# Allegro board AB9.brd (continued)
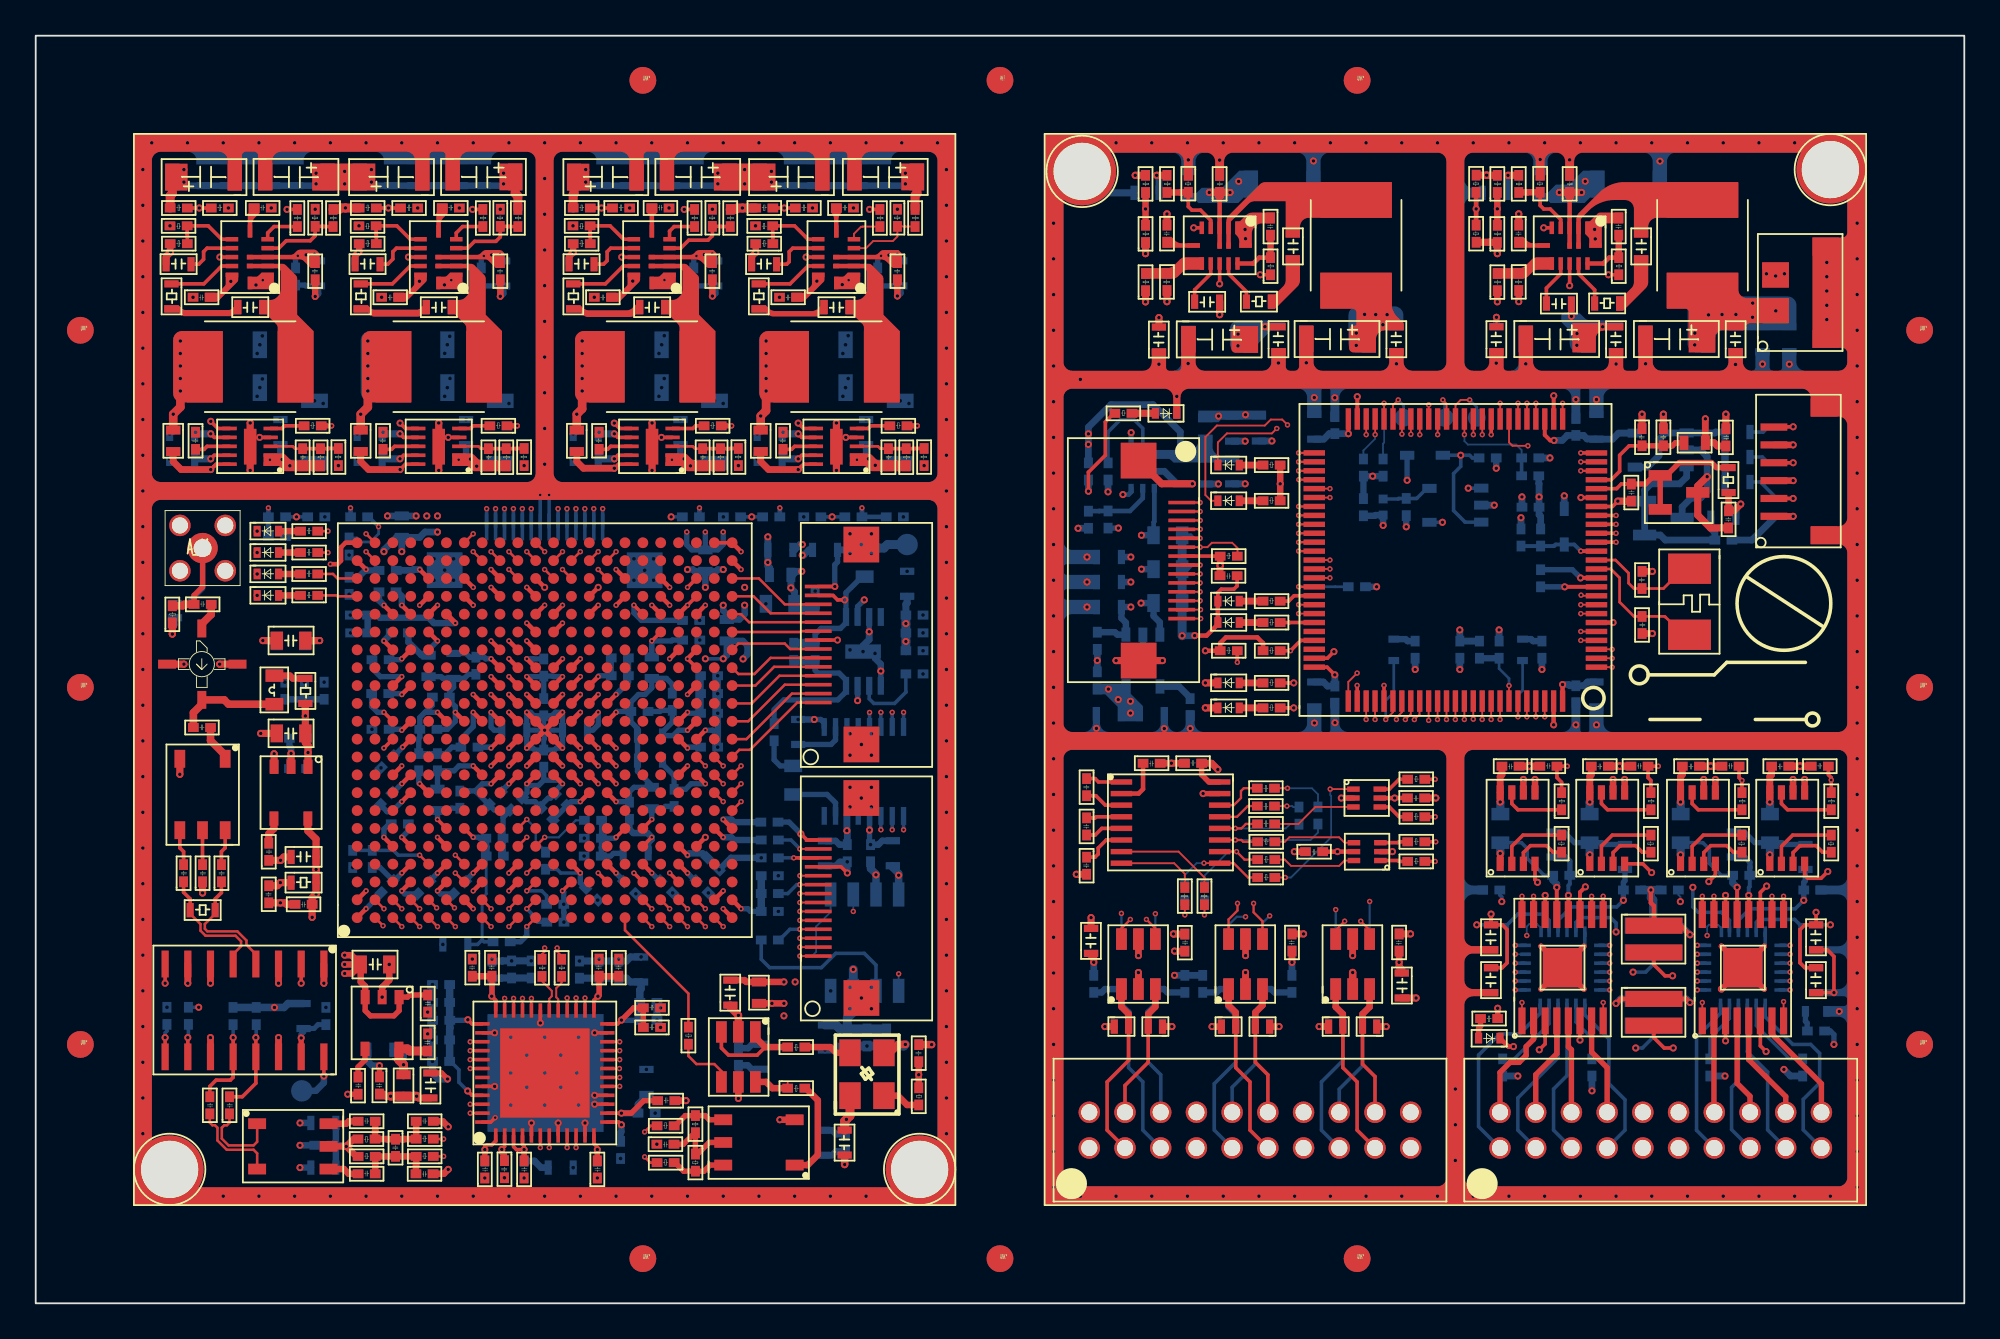
[diagram p0: board, top side]
## Placement (name value [footprint] x y rotation side) (continued)
NOREF#1935  -  []  95.51 23.3 90 top
NOREF#1936  -  []  35.29 64.1 90 top
NOREF#1937  -  []  69.87 33.58 0 top
NOREF#1938  -  []  69.96 22.75 0 top
NOREF#1939  -  []  40.9 55.6 90 top
NOREF#1940  -  []  8.37 31.86 90 top
NOREF#1941  -  []  84.05 22.76 90 top
NOREF#1942  -  []  18.51 7.2 90 top
NOREF#1943  -  []  21.77 55.39 0 top
NOREF#1944  -  []  89.45 16.75 90 top
NOREF#1945  -  []  90 56.51 90 top
NOREF#1946  -  []  34.1 25.9 0 top
NOREF#1947  -  []  31.8 7.2 90 top
NOREF#1948  -  []  89.5 52.55 0 top
NOREF#1949  -  []  83.2 55.62 90 top
NOREF#1950  -  []  10.69 22.51 90 top
NOREF#1951  -  []  84.5 55.59 90 top
NOREF#1952  -  []  40.1 19 0 top
NOREF#1953  -  []  40.95 44.44 0 top
NOREF#1954  -  []  70.01 23.95 90 top
NOREF#1955  -  []  31.25 27.81 90 top
NOREF#1956  -  []  10.29 62.5 90 top
NOREF#1957  -  []  46.16 12.35 0 top
NOREF#1958  -  []  24.26 38.25 0 top
NOREF#1959  -  []  35.2 32.21 0 top
NOREF#1960  -  []  77.97 26.08 0 top
NOREF#1961  -  []  36.35 32.76 90 top
NOREF#1962  -  []  44.1 41.8 90 top
NOREF#1963  -  []  83.5 13.23 90 top
NOREF#1964  -  []  85.18 57.23 90 top
NOREF#1965  -  []  80.32 36.63 0 top
NOREF#1966  -  []  36.77 32.66 0 top
NOREF#1967  -  []  79.35 20.85 0 top
NOREF#1968  -  []  14.7 35.91 0 top
NOREF#1969  -  []  32.69 62.5 0 top
NOREF#1970  -  []  69.96 22.75 0 top
NOREF#1971  -  []  13.29 48 0 top
NOREF#1972  -  []  84.5 55.59 90 top
NOREF#1973  -  []  80.3 20.51 0 top
NOREF#1974  -  []  40.3 48.29 0 top
NOREF#1975  -  []  92.9 48.61 0 top
NOREF#1976  -  []  36.67 43.52 90 top
NOREF#1977  -  []  61.05 37.45 0 top
NOREF#1978  -  []  27.74 6.56 90 top
NOREF#1979  -  []  25.63 56.87 0 top
NOREF#1980  -  []  47.59 41.1 0 top
NOREF#1981  -  []  65.9 50.6 0 top
NOREF#1982  -  []  7.5 39.3 0 top
NOREF#1983  -  []  43.34 58.18 90 top
NOREF#1984  -  []  35.38 12.45 0 top
NOREF#1985  -  []  82.79 59.93 90 top
NOREF#1986  -  []  64.4 36.6 90 top
NOREF#1987  -  []  26.27 60.82 0 top
NOREF#1988  -  []  67.47 35.38 0 top
NOREF#1989  -  []  19.52 59.96 90 top
NOREF#1990  -  []  66.7 44.98 90 top
NOREF#1991  -  []  16.3 35.1 90 top
NOREF#1992  -  []  88.6 50.09 0 top
NOREF#1993  -  []  43.26 41.95 0 top
NOREF#1994  -  []  75.79 54.01 0 top
NOREF#1995  -  []  57.5 28.93 90 top
NOREF#1996  -  []  63.18 19.26 90 top
NOREF#1997  -  []  31.2 24.8 90 top
NOREF#1998  -  []  95.2 46.12 0 top
NOREF#1999  -  []  34.9 52.1 0 top
NOREF#2000  -  []  69.57 24.68 0 top
NOREF#2001  -  []  17.17 38.72 0 top
NOREF#2002  -  []  13.75 28.78 0 top
NOREF#2003  -  []  57.9 20.31 0 top
NOREF#2004  -  []  43.9 62.27 90 top
NOREF#2005  -  []  25.34 58.17 90 top
NOREF#2006  -  []  72.01 46.7 90 top
NOREF#2007  -  []  84.5 62.73 0 top
NOREF#2008  -  []  89.5 49.35 90 top
NOREF#2009  -  []  88.18 42.87 90 top
NOREF#2010  -  []  98.5 18.11 0 top
NOREF#2011  -  []  16.91 10.51 0 top
NOREF#2012  -  []  32.26 16.15 90 top
NOREF#2013  -  []  10.97 60.18 0 top
NOREF#2014  -  []  75.8 14.8 90 top
NOREF#2015  -  []  8.99 62.5 0 top
NOREF#2016  -  []  67.58 22.83 90 top
NOREF#2017  -  []  21.77 55.39 0 top
NOREF#2018  -  []  95.31 44.41 0 top
NOREF#2019  -  []  33.99 62.5 90 top
NOREF#2020  -  []  33.79 13.2 90 top
NOREF#2021  -  []  17.16 39.25 90 top
NOREF#2022  -  []  34.87 10.26 0 top
NOREF#2023  -  []  37.96 48.33 0 top
NOREF#2024  -  []  87.58 25.76 90 top
NOREF#2025  -  []  42.4 10.91 0 top
NOREF#2026  -  []  89 16.8 90 top
NOREF#2027  -  []  57.89 21.1 0 top
NOREF#2028  -  []  38.1 52.9 90 top
NOREF#2029  -  []  93.5 53.22 90 top
NOREF#2030  -  []  63.8 14.8 90 top
NOREF#2031  -  []  50.79 33.9 90 top
NOREF#2032  -  []  81.32 61.12 0 top
NOREF#2033  -  []  90.3 56.39 0 top
NOREF#2034  -  []  93.63 30.47 90 top
NOREF#2035  -  []  6.48 36.05 0 top
NOREF#2036  -  []  17.09 46.1 90 top
NOREF#2037  -  []  20.6 15.41 90 top
NOREF#2038  -  []  36.45 43.66 90 top
NOREF#2039  -  []  66.78 39.4 90 top
NOREF#2040  -  []  78.05 45.64 90 top
NOREF#2041  -  []  22.9 25.8 90 top
NOREF#2042  -  []  46.74 59.21 0 top
NOREF#2043  -  []  15.9 60.82 0 top
NOREF#2044  -  []  41.7 18.2 90 top
NOREF#2045  -  []  23.5 60.7 90 top
NOREF#2046  -  []  35.29 65.7 0 top
NOREF#2047  -  []  66.89 57.3 0 top
NOREF#2048  -  []  16.34 46.45 90 top
NOREF#2049  -  []  16.05 42.56 90 top
NOREF#2050  -  []  92.17 22.76 0 top
NOREF#2051  -  []  15.85 33.4 0 top
NOREF#2052  -  []  49.36 46.46 0 top
NOREF#2053  -  []  96.5 26.85 0 top
NOREF#2054  -  []  69.35 40.68 90 top
NOREF#2055  -  []  15.94 21.96 90 top
NOREF#2056  -  []  73.92 33.15 90 top
NOREF#2057  -  []  19.33 30.8 90 top
NOREF#2058  -  []  43.34 58.18 90 top
NOREF#2059  -  []  60.02 23.57 90 top
NOREF#2060  -  []  69.87 35.38 0 top
NOREF#2061  -  []  21.38 12.22 90 top
NOREF#2062  -  []  86.8 53.22 90 top
NOREF#2063  -  []  8.99 62.5 90 top
NOREF#2064  -  []  38.24 59.21 90 top
NOREF#2065  -  []  11.3 14.51 0 top
NOREF#2066  -  []  7.06 59.96 0 top
NOREF#2067  -  []  37.5 56.87 0 top
NOREF#2068  -  []  36.97 49.54 0 top
NOREF#2069  -  []  41.13 20.6 0 top
NOREF#2070  -  []  90.7 25.76 0 top
NOREF#2071  -  []  61.71 32.6 90 top
NOREF#2072  -  []  59.7 33.31 0 top
NOREF#2073  -  []  31.24 60.18 0 top
NOREF#2074  -  []  68.4 53.2 90 top
NOREF#2075  -  []  69.96 20.87 90 top
NOREF#2076  -  []  8.07 26.5 0 top
NOREF#2077  -  []  93.57 43.92 0 top
NOREF#2078  -  []  80.95 44.7 90 top
NOREF#2079  -  []  31.39 62.5 90 top
NOREF#2080  -  []  100.64 14.08 90 top
NOREF#2081  -  []  87.79 22.6 90 top
NOREF#2082  -  []  35.93 6.71 0 top
NOREF#2083  -  []  70.6 16.31 0 top
NOREF#2084  -  []  86.64 50.03 0 top
NOREF#2085  -  []  86.99 34.9 90 top
NOREF#2086  -  []  13.3 36.45 90 top
NOREF#2087  -  []  64.4 38.5 90 top
NOREF#2088  -  []  29.7 55.6 0 top
NOREF#2089  -  []  83.5 20.49 90 top
NOREF#2090  -  []  69.2 14.8 0 top
NOREF#2091  -  []  66.89 55.7 0 top
NOREF#2092  -  []  22.31 61.74 0 top
NOREF#2093  -  []  8.1 38.3 90 top
NOREF#2094  -  []  23.64 16.68 90 top
NOREF#2095  -  []  22.89 30.97 90 top
NOREF#2096  -  []  87.4 35.63 90 top
NOREF#2097  -  []  43.34 60.18 90 top
NOREF#2098  -  []  31.37 57.8 90 top
NOREF#2099  -  []  34.47 32.76 0 top
NOREF#2100  -  []  22.44 9.02 0 top
NOREF#2101  -  []  22.73 14.5 0 top
NOREF#2102  -  []  17.16 40.24 0 top
NOREF#2103  -  []  27.6 32.51 0 top
NOREF#2104  -  []  36.59 64.1 90 top
NOREF#2105  -  []  24.76 4.95 90 top
NOREF#2106  -  []  71.4 63.5 0 top
NOREF#2107  -  []  17.16 39.25 90 top
NOREF#2108  -  []  29.92 26.48 0 top
NOREF#2109  -  []  23.39 64.1 90 top
NOREF#2110  -  []  73.82 25.8 0 top
NOREF#2111  -  []  36 25.61 90 top
NOREF#2112  -  []  31.16 47.37 90 top
NOREF#2113  -  []  15.9 60.82 0 top
NOREF#2114  -  []  13.3 37.75 0 top
NOREF#2115  -  []  80.3 18.11 0 top
NOREF#2116  -  []  14.06 21.96 0 top
NOREF#2117  -  []  14.37 43.64 0 top
NOREF#2118  -  []  100.02 26.54 0 top
NOREF#2119  -  []  69.7 48.2 90 top
NOREF#2120  -  []  17.64 59.96 0 top
NOREF#2121  -  []  34.97 15.46 0 top
NOREF#2122  -  []  73.69 24.44 0 top
NOREF#2123  -  []  75.96 22.75 0 top
NOREF#2124  -  []  79.5 41.63 90 top
NOREF#2125  -  []  80.3 20.51 0 top
NOREF#2126  -  []  88.69 60 90 top
NOREF#2127  -  []  41.89 62.5 90 top
NOREF#2128  -  []  15.26 56.87 0 top
NOREF#2129  -  []  92.52 48.48 0 top
NOREF#2130  -  []  96.9 26.54 90 top
NOREF#2131  -  []  16.75 34.54 0 top
NOREF#2132  -  []  24.14 27.27 90 top
NOREF#2133  -  []  16.75 34.54 0 top
NOREF#2134  -  []  28.15 60.82 90 top
NOREF#2135  -  []  32.26 16.15 90 top
NOREF#2136  -  []  93.31 43.9 90 top
NOREF#2137  -  []  102.45 28.91 90 top
NOREF#2138  -  []  20 20.85 0 top
NOREF#2139  -  []  25.15 19.08 0 top
NOREF#2140  -  []  24.76 4.95 90 top
NOREF#2141  -  []  40.01 -2.4 90 top
NOREF#2142  -  []  59.3 39.41 0 top
NOREF#2143  -  []  33.99 62.5 90 top
NOREF#2144  -  []  92.45 47.8 90 top
NOREF#2145  -  []  6.59 47.5 0 top
NOREF#2146  -  []  72.81 33.3 90 top
NOREF#2147  -  []  26.96 46.46 90 top
NOREF#2148  -  []  18.51 7.2 90 top
NOREF#2149  -  []  48.27 37.16 0 top
NOREF#2150  -  []  86.19 48.3 90 top
NOREF#2151  -  []  26.96 4.95 0 top
NOREF#2152  -  []  59.7 16.2 0 top
NOREF#2153  -  []  22.99 36.5 90 top
NOREF#2154  -  []  14.16 60.05 0 top
NOREF#2155  -  []  19.33 34.7 0 top
NOREF#2156  -  []  83.6 54.82 0 top
NOREF#2157  -  []  85.62 40.63 90 top
NOREF#2158  -  []  47.37 49.54 0 top
NOREF#2159  -  []  79.85 23.58 90 top
NOREF#2160  -  []  85.29 44.84 90 top
NOREF#2161  -  []  46.58 44.85 90 top
NOREF#2162  -  []  24.05 17.3 90 top
NOREF#2163  -  []  21.33 37.16 90 top
NOREF#2164  -  []  71.3 56.39 0 top
NOREF#2165  -  []  77.62 37.41 90 top
NOREF#2166  -  []  68.76 59.37 90 top
NOREF#2167  -  []  73.79 27.8 0 top
NOREF#2168  -  []  20.83 6.86 0 top
NOREF#2169  -  []  74.6 14.2 0 top
NOREF#2170  -  []  75 52.39 0 top
NOREF#2171  -  []  84.05 22.76 90 top
NOREF#2172  -  []  84.51 46.72 0 top
NOREF#2173  -  []  26.26 21.24 0 top
NOREF#2174  -  []  22.44 8.03 0 top
NOREF#2175  -  []  89.7 53.2 90 top
NOREF#2176  -  []  63.96 22.75 0 top
NOREF#2177  -  []  30.51 55.6 90 top
NOREF#2178  -  []  14.16 60.05 0 top
NOREF#2179  -  []  43.19 62.5 90 top
NOREF#2180  -  []  80.6 54.01 0 top
NOREF#2181  -  []  61.05 37.45 0 top
NOREF#2182  -  []  71.75 43.78 90 top
NOREF#2183  -  []  91.3 37.19 90 top
NOREF#2184  -  []  37.65 58.48 0 top
NOREF#2185  -  []  63 62.6 90 top
NOREF#2186  -  []  13.18 14.51 90 top
NOREF#2187  -  []  91.3 37.19 90 top
NOREF#2188  -  []  28.59 32.5 90 top
NOREF#2189  -  []  63.18 19.26 90 top
NOREF#2190  -  []  86.99 34.9 90 top
NOREF#2191  -  []  21.11 31.82 90 top
NOREF#2192  -  []  34.1 34.8 90 top
NOREF#2193  -  []  66.3 14.2 0 top
NOREF#2194  -  []  62.82 61.12 0 top
NOREF#2195  -  []  32.86 25.05 90 top
NOREF#2196  -  []  45.2 54.5 0 top
NOREF#2197  -  []  26.59 56.88 90 top
NOREF#2198  -  []  71.44 25.68 90 top
NOREF#2199  -  []  39.07 7.9 90 top
NOREF#2200  -  []  69.83 28.46 90 top
NOREF#2201  -  []  96.8 45.31 90 top
NOREF#2202  -  []  85.86 36.65 0 top
NOREF#2203  -  []  14.34 33.37 90 top
NOREF#2204  -  []  32.65 20.85 90 top
NOREF#2205  -  []  17.09 46.1 0 top
NOREF#2206  -  []  91.5 24.35 90 top
NOREF#2207  -  []  43.19 62.5 90 top
NOREF#2208  -  []  86.25 16.77 0 top
NOREF#2209  -  []  87.3 52.39 0 top
NOREF#2210  -  []  31.5 49.11 90 top
NOREF#2211  -  []  85.62 42.91 90 top
NOREF#2212  -  []  95.8 25.76 0 top
NOREF#2213  -  []  90.2 42.09 0 top
NOREF#2214  -  []  17.69 13 0 top
NOREF#2215  -  []  31.16 47.37 0 top
NOREF#2216  -  []  22.99 36.5 90 top
NOREF#2217  -  []  16.31 10.7 90 top
NOREF#2218  -  []  20.3 60.7 0 top
NOREF#2219  -  []  71.75 45.78 90 top
NOREF#2220  -  []  36.59 64.1 90 top
NOREF#2221  -  []  64.4 36.6 90 top
NOREF#2222  -  []  21.07 7.06 90 top
NOREF#2223  -  []  19.4 10.61 90 top
NOREF#2224  -  []  87.3 52.39 0 top
NOREF#2225  -  []  83.5 18.09 90 top
NOREF#2226  -  []  17.16 41.13 0 top
NOREF#2227  -  []  45.2 52.1 0 top
NOREF#2228  -  []  64.8 55.69 0 top
NOREF#2229  -  []  75.96 22.75 0 top
NOREF#2230  -  []  87.3 52.39 90 top
NOREF#2231  -  []  28.4 46.89 90 top
NOREF#2232  -  []  93.33 15.82 0 top
NOREF#2233  -  []  47.6 47.2 90 top
NOREF#2234  -  []  19.45 37.94 0 top
NOREF#2235  -  []  15.76 33.37 0 top
NOREF#2236  -  []  33.5 62.27 90 top
NOREF#2237  -  []  96.91 43.6 90 top
NOREF#2238  -  []  40.17 23.56 0 top
NOREF#2239  -  []  84.58 24.03 90 top
NOREF#2240  -  []  31.39 62.5 90 top
NOREF#2241  -  []  90.97 44.47 90 top
NOREF#2242  -  []  93.22 13.23 0 top
NOREF#2243  -  []  41.13 20.6 90 top
NOREF#2244  -  []  44.6 8.7 0 top
NOREF#2245  -  []  20.2 23.66 90 top
NOREF#2246  -  []  14.2 63.87 90 top
NOREF#2247  -  []  71.45 24.68 90 top
NOREF#2248  -  []  87.3 52.39 90 top
NOREF#2249  -  []  100.1 18.09 0 top
NOREF#2250  -  []  14.2 63.87 90 top
NOREF#2251  -  []  98.7 22.6 0 top
NOREF#2252  -  []  17.09 46.1 0 top
NOREF#2253  -  []  20.16 13.94 0 top
NOREF#2254  -  []  48.51 60.82 0 top
NOREF#2255  -  []  47.14 24.27 90 top
NOREF#2256  -  []  47.37 49.54 0 top
NOREF#2257  -  []  40.2 49.91 0 top
NOREF#2258  -  []  22.9 25.8 90 top
NOREF#2259  -  []  12.5 14.51 0 top
NOREF#2260  -  []  40 30.41 90 top
NOREF#2261  -  []  36.36 59.21 0 top
NOREF#2262  -  []  65.69 23.04 90 top
NOREF#2263  -  []  8.56 47.37 0 top
NOREF#2264  -  []  29.1 17.89 90 top
NOREF#2265  -  []  67.9 54.79 90 top
NOREF#2266  -  []  35.52 22.58 0 top
NOREF#2267  -  []  35.89 45.4 0 top
NOREF#2268  -  []  8.67 58.18 0 top
NOREF#2269  -  []  28.59 34.1 0 top
NOREF#2270  -  []  34.37 11.74 0 top
NOREF#2271  -  []  45.06 27.75 0 top
NOREF#2272  -  []  48.4 50.5 90 top
NOREF#2273  -  []  82.64 42.91 0 top
NOREF#2274  -  []  26.37 24.66 0 top
NOREF#2275  -  []  65.69 23.04 90 top
NOREF#2276  -  []  69.35 35.38 90 top
NOREF#2277  -  []  95.1 13.23 90 top
NOREF#2278  -  []  14.94 58.17 90 top
NOREF#2279  -  []  86.06 42.85 0 top
NOREF#2280  -  []  39.85 59.96 0 top
NOREF#2281  -  []  44.49 65.7 0 top
NOREF#2282  -  []  83.53 30.47 90 top
NOREF#2283  -  []  74.6 61.9 90 top
NOREF#2284  -  []  89.92 26.54 0 top
NOREF#2285  -  []  41.59 57.8 90 top
NOREF#2286  -  []  16.56 46.46 90 top
NOREF#2287  -  []  61.06 34.55 90 top
NOREF#2288  -  []  66.67 62.73 90 top
NOREF#2289  -  []  60.9 34.2 0 top
NOREF#2290  -  []  21.7 11.4 0 top
NOREF#2291  -  []  22.68 14.22 90 top
NOREF#2292  -  []  31.16 47.37 90 top
NOREF#2293  -  []  36.8 30 90 top
NOREF#2294  -  []  44.37 60.96 90 top
NOREF#2295  -  []  60.9 34.2 0 top
NOREF#2296  -  []  37.65 58.48 0 top
NOREF#2297  -  []  37.73 29.8 0 top
NOREF#2298  -  []  43.8 22.8 0 top
NOREF#2299  -  []  24.76 4.95 0 top
NOREF#2300  -  []  35.2 30.81 0 top
NOREF#2301  -  []  17.16 37.38 0 top
NOREF#2302  -  []  69.87 32.18 0 top
NOREF#2303  -  []  69.8 14.2 90 top
NOREF#2304  -  []  19.49 62.5 90 top
NOREF#2305  -  []  14.29 60.82 90 top
NOREF#2306  -  []  21.11 31.82 0 top
NOREF#2307  -  []  10.55 58.18 90 top
NOREF#2308  -  []  87.42 48.15 90 top
NOREF#2309  -  []  59.24 25.77 0 top
NOREF#2310  -  []  23.5 60.7 90 top
NOREF#2311  -  []  82.75 45.18 0 top
NOREF#2312  -  []  31.77 36.54 90 top
NOREF#2313  -  []  89.5 52.55 0 top
NOREF#2314  -  []  38.69 38.55 0 top
NOREF#2315  -  []  99.68 24.03 90 top
NOREF#2316  -  []  46.16 12.35 90 top
NOREF#2317  -  []  11 65.47 0 top
NOREF#2318  -  []  90.47 28.91 0 top
NOREF#2319  -  []  21.6 36.5 90 top
NOREF#2320  -  []  20.6 16.19 0 top
NOREF#2321  -  []  69.19 61.6 0 top
NOREF#2322  -  []  40.17 25.34 90 top
NOREF#2323  -  []  46.52 6.45 90 top
NOREF#2324  -  []  74.62 44.62 0 top
NOREF#2325  -  []  10.15 21.62 90 top
NOREF#2326  -  []  92.58 25.76 90 top
NOREF#2327  -  []  25.77 58.48 0 top
NOREF#2328  -  []  22.09 62.5 90 top
NOREF#2329  -  []  90.3 54.82 0 top
NOREF#2330  -  []  46.58 44.85 0 top
NOREF#2331  -  []  19.33 34.7 0 top
NOREF#2332  -  []  57.5 28.93 0 top
NOREF#2333  -  []  18.13 42.7 90 top
NOREF#2334  -  []  32.69 62.5 90 top
NOREF#2335  -  []  42.03 25.78 90 top
NOREF#2336  -  []  83.43 17.55 90 top
NOREF#2337  -  []  16.91 10.51 0 top
NOREF#2338  -  []  44.05 55.39 0 top
NOREF#2339  -  []  10.29 62.5 90 top
NOREF#2340  -  []  43.53 11.66 90 top
NOREF#2341  -  []  25.23 29.98 90 top
NOREF#2342  -  []  50.79 33.9 90 top
NOREF#2343  -  []  77.71 17 90 top
NOREF#2344  -  []  96.3 54.01 0 top
NOREF#2345  -  []  19.32 30.33 90 top
NOREF#2346  -  []  47.09 62.5 90 top
NOREF#2347  -  []  80.3 19.7 90 top
NOREF#2348  -  []  66.48 16.31 90 top
NOREF#2349  -  []  67.5 49.8 90 top
NOREF#2350  -  []  73.16 27.35 90 top
NOREF#2351  -  []  13.3 36.45 90 top
NOREF#2352  -  []  77.97 23.58 0 top
NOREF#2353  -  []  21.89 20.5 90 top
NOREF#2354  -  []  86.62 13.23 0 top
NOREF#2355  -  []  16.75 33.76 90 top
NOREF#2356  -  []  13.51 62.7 0 top
NOREF#2357  -  []  34.16 38.64 0 top
NOREF#2358  -  []  17.8 49.91 0 top
NOREF#2359  -  []  89.55 48.74 90 top
NOREF#2360  -  []  32.3 60.7 0 top
NOREF#2361  -  []  41.65 11.66 0 top
NOREF#2362  -  []  45.56 60.18 90 top
NOREF#2363  -  []  11.59 62.5 90 top
NOREF#2364  -  []  6.82 16.12 0 top
NOREF#2365  -  []  71.75 43.78 90 top
NOREF#2366  -  []  76.74 20.87 90 top
NOREF#2367  -  []  93.53 17.55 90 top
NOREF#2368  -  []  84.92 26.54 0 top
NOREF#2369  -  []  47.26 12.35 90 top
NOREF#2370  -  []  19.04 37.38 90 top
NOREF#2371  -  []  31.39 62.5 0 top
NOREF#2372  -  []  25.34 58.17 90 top
NOREF#2373  -  []  30.68 23.21 90 top
NOREF#2374  -  []  87.42 48.15 90 top
NOREF#2375  -  []  8.94 59.96 90 top
NOREF#2376  -  []  92.08 41.31 90 top
NOREF#2377  -  []  87.3 61.11 90 top
NOREF#2378  -  []  8.67 60.18 0 top
NOREF#2379  -  []  94 61.9 90 top
NOREF#2380  -  []  32.65 20.85 90 top
NOREF#2381  -  []  22.5 44.3 90 top
NOREF#2382  -  []  92.52 47.7 90 top
NOREF#2383  -  []  31.16 17.86 90 top
NOREF#2384  -  []  64.52 60.57 90 top
NOREF#2385  -  []  25.16 17.86 0 top
NOREF#2386  -  []  43.8 40.5 90 top
NOREF#2387  -  []  17.8 49.91 0 top
NOREF#2388  -  []  93.57 43.92 0 top
NOREF#2389  -  []  49.36 46.46 90 top
NOREF#2390  -  []  83.3 57.23 0 top
NOREF#2391  -  []  9.63 22.51 90 top
NOREF#2392  -  []  94.57 24.36 90 top
NOREF#2393  -  []  19.32 30.33 0 top
NOREF#2394  -  []  39.07 10.05 90 top
NOREF#2395  -  []  44.49 64.1 90 top
NOREF#2396  -  []  33.5 62.27 90 top
NOREF#2397  -  []  75.52 43.65 90 top
NOREF#2398  -  []  72 25.76 90 top
NOREF#2399  -  []  79.85 24.68 90 top
NOREF#2400  -  []  91.8 26.54 90 top
NOREF#2401  -  []  21.77 55.39 90 top
NOREF#2402  -  []  71.75 36.96 90 top
NOREF#2403  -  []  28.8 23.21 0 top
NOREF#2404  -  []  63.15 36.6 90 top
NOREF#2405  -  []  67.47 40.68 0 top
NOREF#2406  -  []  44.37 61.74 0 top
NOREF#2407  -  []  84.63 45.18 90 top
NOREF#2408  -  []  61.38 16.31 90 top
NOREF#2409  -  []  86.09 25.14 0 top
NOREF#2410  -  []  47.09 62.5 0 top
NOREF#2411  -  []  67.58 22.83 90 top
NOREF#2412  -  []  86.4 23.6 90 top
NOREF#2413  -  []  63.87 30.64 0 top
NOREF#2414  -  []  41.89 62.5 0 top
NOREF#2415  -  []  63.2 14.8 0 top
NOREF#2416  -  []  14.77 44.44 90 top
NOREF#2417  -  []  17.69 13 0 top
NOREF#2418  -  []  29.1 18.67 0 top
NOREF#2419  -  []  71.75 36.96 90 top
NOREF#2420  -  []  11.75 22.51 90 top
NOREF#2421  -  []  19.1 23.31 0 top
NOREF#2422  -  []  21.57 60.18 0 top
NOREF#2423  -  []  18.51 9.7 90 top
NOREF#2424  -  []  41.46 47.37 90 top
NOREF#2425  -  []  89.42 37.97 0 top
NOREF#2426  -  []  14.17 42.56 0 top
NOREF#2427  -  []  31.2 24.8 90 top
NOREF#2428  -  []  89.45 20.85 0 top
NOREF#2429  -  []  90.7 25.76 0 top
NOREF#2430  -  []  93.53 17.55 90 top
NOREF#2431  -  []  82.75 46.18 0 top
NOREF#2432  -  []  31.24 60.18 0 top
NOREF#2433  -  []  36.8 31.4 90 top
NOREF#2434  -  []  36.2 8.52 90 top
NOREF#2435  -  []  78.6 36.63 90 top
NOREF#2436  -  []  61.4 63.41 0 top
NOREF#2437  -  []  34.37 10.96 90 top
NOREF#2438  -  []  17.16 39.46 90 top
NOREF#2439  -  []  43.4 44.2 0 top
NOREF#2440  -  []  87.3 61.11 90 top
NOREF#2441  -  []  74.6 61.9 90 top
NOREF#2442  -  []  87.81 21.02 0 top
NOREF#2443  -  []  31.16 47.37 0 top
NOREF#2444  -  []  24.69 65.7 0 top
NOREF#2445  -  []  19.4 17.15 0 top
NOREF#2446  -  []  78.6 36.63 90 top
NOREF#2447  -  []  46.58 44.85 0 top
NOREF#2448  -  []  48.77 43.66 0 top
NOREF#2449  -  []  40.02 60.82 90 top
NOREF#2450  -  []  69.56 25.68 0 top
NOREF#2451  -  []  19.19 7.06 0 top
NOREF#2452  -  []  18.13 42.7 0 top
NOREF#2453  -  []  50.65 43.66 90 top
NOREF#2454  -  []  85.62 42.91 90 top
NOREF#2455  -  []  95.51 23.3 90 top
NOREF#2456  -  []  50.38 60.82 90 top
NOREF#2457  -  []  40 30.41 90 top
NOREF#2458  -  []  77.15 46.14 0 top
NOREF#2459  -  []  43.4 44.2 0 top
NOREF#2460  -  []  22.44 7.06 0 top
NOREF#2461  -  []  14.48 14.51 90 top
NOREF#2462  -  []  88.12 56.51 0 top
NOREF#2463  -  []  34.37 11.74 0 top
NOREF#2464  -  []  12.82 54.6 0 top
NOREF#2465  -  []  24.51 59.21 0 top
NOREF#2466  -  []  19.19 6.08 0 top
NOREF#2467  -  []  41.65 11.66 0 top
NOREF#2468  -  []  68.76 59.37 0 top
NOREF#2469  -  []  32.13 23.88 90 top
NOREF#2470  -  []  40.15 25.78 0 top
NOREF#2471  -  []  47.5 5 90 top
NOREF#2472  -  []  18.81 24.72 90 top
NOREF#2473  -  []  84.53 42.91 90 top
NOREF#2474  -  []  37.9 43.2 0 top
NOREF#2475  -  []  23.39 65.7 0 top
NOREF#2476  -  []  20.65 29.39 90 top
NOREF#2477  -  []  86.1 44.8 0 top
NOREF#2478  -  []  8.56 47.37 90 top
NOREF#2479  -  []  97.8 54.01 0 top
NOREF#2480  -  []  24.06 17.86 0 top
NOREF#2481  -  []  83.77 62.68 0 top
NOREF#2482  -  []  37.74 46.45 90 top
NOREF#2483  -  []  23.45 60.18 90 top
NOREF#2484  -  []  24.2 18.67 0 top
NOREF#2485  -  []  29.1 17.89 90 top
NOREF#2486  -  []  33.51 37.28 0 top
NOREF#2487  -  []  87.16 45.5 90 top
NOREF#2488  -  []  14.57 48.76 90 top
NOREF#2489  -  []  84.5 55.59 0 top
NOREF#2490  -  []  74.5 53.22 90 top
NOREF#2491  -  []  89.5 24.35 0 top
NOREF#2492  -  []  79.4 26.85 0 top
NOREF#2493  -  []  41.13 21.6 90 top
NOREF#2494  -  []  29.84 17.85 90 top
NOREF#2495  -  []  75.29 17 90 top
NOREF#2496  -  []  33.79 14.8 0 top
NOREF#2497  -  []  43.65 25.56 90 top
NOREF#2498  -  []  25.74 46.45 90 top
NOREF#2499  -  []  59.7 15.2 90 top
NOREF#2500  -  []  14.77 45.22 0 top
NOREF#2501  -  []  19.45 31.76 90 top
NOREF#2502  -  []  43.8 12.49 0 top
NOREF#2503  -  []  44.61 12.49 90 top
NOREF#2504  -  []  98.15 20.6 0 top
NOREF#2505  -  []  31.06 4.95 0 top
NOREF#2506  -  []  42.3 34.91 0 top
NOREF#2507  -  []  80.3 19.7 90 top
NOREF#2508  -  []  19.4 49.11 90 top
NOREF#2509  -  []  23.45 60.18 90 top
NOREF#2510  -  []  91.48 29.18 0 top
NOREF#2511  -  []  42.3 34.91 0 top
NOREF#2512  -  []  8.55 22.43 0 top
NOREF#2513  -  []  7.2 58.61 0 top
NOREF#2514  -  []  30.3 62.27 0 top
NOREF#2515  -  []  15.24 27.15 90 top
NOREF#2516  -  []  41.46 47.37 0 top
NOREF#2517  -  []  14.2 23.97 0 top
NOREF#2518  -  []  14.8 47.2 90 top
NOREF#2519  -  []  93.57 43.14 90 top
NOREF#2520  -  []  14.6 16.1 0 top
NOREF#2521  -  []  19.5 12.22 0 top
NOREF#2522  -  []  23.98 4.96 90 top
NOREF#2523  -  []  59.24 23.57 0 top
NOREF#2524  -  []  78.05 45.64 90 top
NOREF#2525  -  []  89 16.8 0 top
NOREF#2526  -  []  41.77 25.56 0 top
REF  -  [unnamed#2]  54 68.5 0 top
UNK*  -  [unnamed#2]  105.5 54.5 0 top
UNK*#2  -  [unnamed#2]  2.5 54.5 0 top
UNK*#3  -  [unnamed#2]  2.5 34.5 0 top
UNK*#4  -  [unnamed#2]  105.5 34.5 0 top
UNK*#5  -  [unnamed#2]  74 2.5 0 top
UNK*#6  -  [unnamed#2]  74 68.5 0 top
UNK*#7  -  [unnamed#2]  34 2.5 0 top
UNK*#8  -  [unnamed#2]  105.5 14.5 0 top
UNK*#9  -  [unnamed#2]  2.5 14.5 0 top
UNK*#10  -  [unnamed#2]  54 2.5 0 top
UNK*#11  -  [unnamed#2]  34 68.5 0 top
UNK*#12  -  [unnamed#2]  105.5 14.5 180 bottom
UNK*#13  -  [unnamed#2]  2.5 14.5 180 bottom
UNK*#14  -  [unnamed#2]  105.5 54.5 180 bottom
UNK*#15  -  [unnamed#2]  34 2.5 180 bottom
UNK*#16  -  [unnamed#2]  74 68.5 180 bottom
UNK*#17  -  [unnamed#2]  2.5 34.5 180 bottom
UNK*#18  -  [unnamed#2]  74 2.5 180 bottom
UNK*#19  -  [unnamed#2]  54 2.5 180 bottom
UNK*#20  -  [unnamed#2]  54 68.5 180 bottom
UNK*#21  -  [unnamed#2]  105.5 34.5 180 bottom
UNK*#22  -  [unnamed#2]  34 68.5 180 bottom
UNK*#23  -  [unnamed#2]  2.5 54.5 180 bottom

## Library data of the parts
A_A1 = ERA-2SM
A_C1-A_C36 A_C38 A_C40 A_C42 A_C47-A_C58 A_C60-A_C62 A_C67 A_C70 A_C72 A_C73 A_C76-A_C156 A_C158-A_C171 A_C173-A_C223 A_C226-A_C241 A_C243-A_C248 B_C1-B_C22 B_C24 B_C27-B_C45 B_C48-B_C51 B_C53-B_C69 B_C72 B_C74-B_C80 B_C84-B_C86 B_C89 B_C96 B_C97 B_C107-B_C116 B_C118 B_C119 B_C121 B_C122 = CAP NP
A_C37 A_C39 A_C41 A_C43-A_C46 A_C59 A_C63 A_C64 A_C68 A_C157 A_C172 A_C224 A_C225 B_C23 B_C25 B_C26 B_C46 B_C47 B_C52 B_C70 B_C71 B_C73 B_C81-B_C83 B_C87 B_C88 B_C90-B_C95 B_C98-B_C106 B_C117 B_C120 B_C123 = CAP NP: signal model: DEFAULT_CAPACITOR_100000pF_2_1
A_C65 A_C71 A_C74 A_C242 = CAP NP: signal model: DEFAULT_CAPACITOR_1e+06pF_2_1
A_C66 A_C69 A_C75 = CAP NP: signal model: DEFAULT_CAPACITOR_8.200000pF_2_1
A_D1-A_D4 B_D1-B_D7 B_D14 B_D17-B_D19 = LED
A_D5 = DIODE TVS BI-DIR
A_J1 = SMA-CONNECTOR
A_J2-A_J4 B_J3 = FPC-14P-0.5
A_L1-A_L4 B_L1 B_L2 = INDUCTOR
A_L5-A_L8 A_L10-A_L19 B_L3-B_L5 = BEAD
A_L9 = INDUCTOR: signal model: DEFAULT_INDUCTOR_1000nH_2_1
A_R1-A_R48 A_R53-A_R55 A_R57 A_R58 A_R71 A_R76-A_R78 A_R80-A_R84 B_R1-B_R87 = R
A_R49 A_R59 A_R66 = R: signal model: DEFAULT_RESISTOR_49.900000OHM_2_1
A_R50-A_R52 A_R56 A_R88-A_R91 = R: signal model: DEFAULT_RESISTOR_39.000000OHM_2_1
A_R60-A_R65 A_R67-A_R70 A_R72-A_R75 A_R79 A_R85-A_R87 = R: signal model: DEFAULT_RESISTOR_22.000000OHM_2_1
A_T1-A_T3 = ADT2-1T+_0
A_TP1 A_TP2 B_TP1 B_TP2 B_TP5-B_TP7 = T POINT R
A_TP3 A_TP4 = T POINT S
A_U1-A_U4 B_U1 B_U2 = MP2326GD
A_U5-A_U8 = TPS7A9201DSKR
A_U9 = EP4CE40F23I7_6
A_U10 A_U12 B_U21 = SGM2028-3.3
A_U11 = AD8306AR_0
A_U13 = SN74LVC2G34DBV
A_U14 = LTC2207
A_U15 = TPA711
A_U16 = PCM1754
A_U17 = EPCS4SI8N_0
A_Y1 = OSCILLATOR
B_D8-B_D13 B_D20-B_D25 = DIODE BI-DIR TRIG
B_D15 B_D16 = 1N4148WT
B_J1 = HEADER-1X4
B_J2 = HEADER1x6_1
B_J4 B_J5 = CONNECTOR-2X10P
B_U3 B_U20 = TL431AIDBZT
B_U4 = STM32F103VET6
B_U5 B_U11-B_U14 B_U22-B_U24 = SN74LVC2G34DRL
B_U6 = SP3232EEY
B_U7-B_U10 = AD8226ARMZ
B_U15 B_U16 = DRV8848PWPR
B_U17 B_U19 = MCP6001T-I/OT
B_U18 = TPS74601PBQWDRVRQ1
B_U25 B_U26 = DRV8846RGER
B_Y1 = CRYSTAL
